# KiCad board Infernum HS.kicad_pcb (continued)
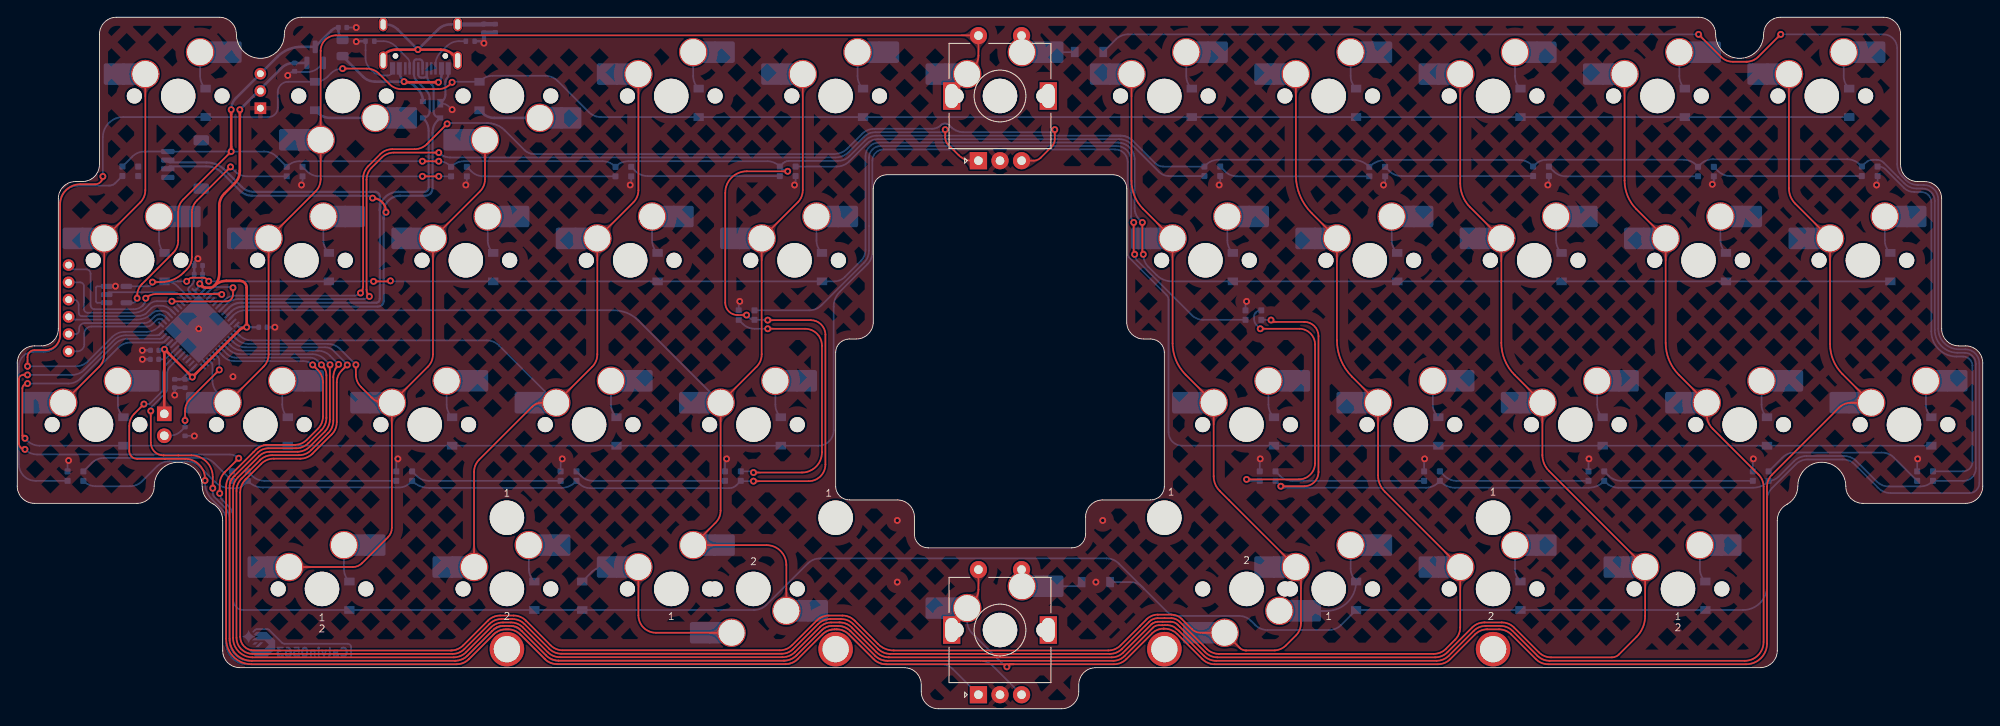
[diagram p0: board, top side]
## Routing (per net, layer and track width the routed paths; a pad name or vN(x,y) marks a point on that pad's centre or on a via; arc(x,y) is an arc through that point) (continued)
Net-(D43-DIN): length 17.5
  Bottom w0.2: D43.3 198.53,61.76 arc(197.77,61.91) 197.12,62.35 D56.1
Net-(D43-DOUT): length 46.4
  Bottom w0.2: D44.3 225.51,27.52 arc(226.29,27.84) 226.61,28.62 226.61,39.76 arc(226.3,40.52) 225.54,40.83 224.76,40.83 arc(222.7,41.69) 221.85,43.75 221.85,58.73 arc(221.5,59.56) 220.67,59.91 219.86,59.91 arc(219.21,60.04) 218.65,60.41 216.52,62.54 arc(216.17,62.78) 215.75,62.86 D43.1
Net-(D44-DOUT): length 19.3
  Bottom w0.2: D44.1 217.51,29.12 arc(216.86,29.55) 216.1,29.7 206,29.7 arc(205.23,29.55) 204.58,29.12 D60.3
Net-(D45-DIN): length 34.7
  Top w0.2: v1(144.07,44.05) 148.6,44.05 arc(149.88,43.52) 150.42,42.23 150.42,28.47 arc(149.87,27.14) 148.54,26.59 v1(142.48,26.59)
  Bottom w0.2: v1(144.07,44.05) 143.65,44.46 arc(143.44,44.79) 143.36,45.18 143.36,45.51 arc(143.4,45.73) 143.52,45.91 143.54,45.92 arc(143.84,46.12) D45.3 ; v1(142.48,26.59) 142.65,26.42 D48.1
Net-(D45-DOUT): length 86.5
  Top w0.2: v1(129.4,56.38) 129.4,52.79 v1(129.51,52.68)
  Bottom w0.2: 127.4,65.24 100.07,65.24 arc(99.11,64.84) 98.71,63.88 98.71,55.97 98.72,55.96 98.72,53.12 arc(98.57,52.35) 98.13,51.71 93.2,46.78 arc(92.56,46.34) 91.79,46.19 D49.3 ; D45.1 137.46,45.09 arc(136.74,45.23) 136.13,45.64 129.81,51.96 arc(129.59,52.29) v1(129.51,52.68) ; 129.1,63.67 129.1,57.1 129.1,57 129.14,56.81 129.22,56.62 129.33,56.45 v1(129.4,56.38) ; 127.43,65.24 arc(128.61,64.75) 129.1,63.57
Net-(D46-DIN): length 17.6
  Bottom w0.2: D60.1 185.87,26.42 arc(185.1,26.57) 184.45,27.01 D46.3
Net-(D46-DOUT): length 17.6
  Bottom w0.2: D59.3 165.4,27.01 arc(166.05,26.57) 166.82,26.42 D46.1
Net-(D48-DIN): length 17.6
  Bottom w0.2: D48.3 146.35,27.01 arc(147,26.57) 147.77,26.42 D59.1
Net-(D49-DOUT): length 34.3
  Top w0.2: v1(85.33,27.38) 90.94,27.38 arc(92.58,28.07) 93.27,29.71 93.27,42.09 arc(92.69,43.48) 91.3,44.05 v1(86.98,44.05)
  Bottom w0.2: v1(86.98,44.05) 85.49,44.05 arc(84.72,44.21) 84.07,44.64 D49.1 ; v1(85.33,27.38) 85.19,27.52 D54.3
Net-(D51-DIN): length 49
  Bottom w0.2: D52.1 2.12,26.42 arc(0.76,26.99) 0.19,28.35 0.19,39.69 arc(0.68,40.88) 1.87,41.37 3.04,41.37 arc(4.39,41.93) 4.96,43.29 4.96,58.57 4.96,58.71 4.99,58.98 5.06,59.24 5.17,59.49 5.3,59.73 5.47,59.94 5.66,60.14 5.88,60.3 6.12,60.44 6.37,60.54 6.63,60.61 6.9,60.65 7.04,60.65 10.64,60.65 10.74,60.65 10.94,60.69 11.14,60.77 11.31,60.89 11.38,60.96 D51.3
Net-(D52-DIN): length 18.8
  Bottom w0.2: 24.88,26.42 22.81,28.49 arc(22.16,28.93) 21.4,29.08 10.05,29.08 arc(9.28,28.93) 8.63,28.49 7.66,27.52
Net-(D53-DIN): length 17.6
  Bottom w0.2: D53.3 46.28,27.01 arc(46.92,26.57) 47.69,26.42 D58.1
Net-(D53-DOUT): length 17.6
  Bottom w0.2: D57.3 27.23,27.01 arc(27.87,26.57) 28.64,26.42 D53.1
Net-(D54-DOUT): length 17.6
  Bottom w0.2: 64.81,27.52 65.33,27.01 arc(65.97,26.57) 66.74,26.42 D54.1
Net-(USB1-CC1): length 5.8
  Bottom w0.2: R_USB1.1 42.42,77.39 arc(43.19,77.24) 43.84,76.8 45.24,75.41 arc(45.41,75.14) 45.48,74.83 USB1.4
Net-(USB1-CC2): length 5.4
  Bottom w0.2: R_USB2.1 51.19,77.39 arc(50.43,77.24) 49.78,76.8 49.06,76.09 arc(48.63,75.44) 48.48,74.67 USB1.10

## Copper pours and planes (outline as drawn; the poured copper is in the pictures)
GND on Top, Bottom: 230.32,87.07 230.11,-4.83 -3.36,-4.83 -3.26,87.17

Small or netless copper shapes (teardrops, artwork), in the pictures only: 147 on Top, 408 on Bottom

## Text on the board
Bottom: Calvin0563
B.Mask: Calvin0563
B.Silkscreen: A7 | A6 | A5 | A4 | B14 | B13 | 5V | 3v3 | GND | 1 / 2 | 1 | 2 | BOOT
F.Silkscreen: 1 / 2 | 1 | 2
